# KiCad board Parallel.kicad_pcb (continued)
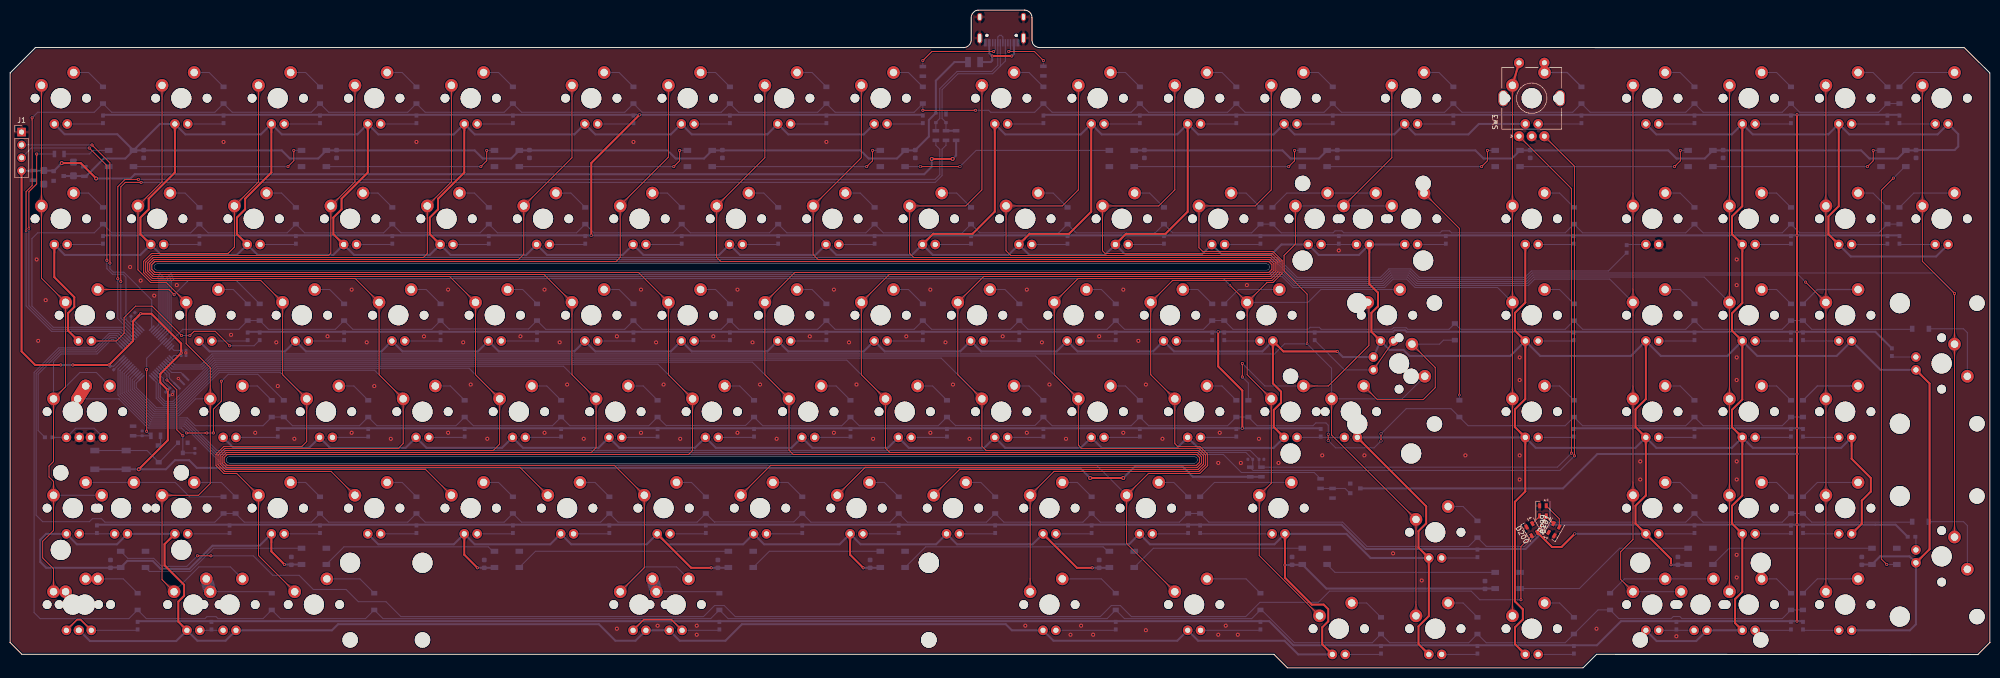
[diagram p0: board, top side]
## Routing (per net, layer and track width the routed paths; a pad name or vN(x,y) marks a point on that pad's centre or on a via; arc(x,y) is an arc through that point) (continued)
GND: length 7.4
  Bottom w0.2: U1.35 23.87,68.48 C9.1 ; C8.1 v2(32.07,53.99) C10.1 ; 20.51,58.94 U1.23
  vias: v1(5.24,80.67) v1(5.53,64.59) v1(7.02,72.63) v1(23.69,79.18) v1(25.78,76.5) v1(28.45,73.52) v1(32.92,75.6) v1(42.15,103.88) v1(43.64,65.78) v1(48.4,46.43) v1(52.56,64.29) v1(52.86,55.66) v1(56.14,45.24) v1(62.69,65.48) v1(67.45,74.71) v1(67.45,46.43) v1(70.42,64.29) v1(71.91,55.66) v1(75.19,45.24) v1(80.25,103.88) v1(81.74,65.48) v1(86.5,74.71) v1(86.5,46.43) v1(89.47,64.29) v1(90.96,55.96) v1(94.24,45.24) v1(100.79,65.48) v1(105.55,74.71) v1(105.55,46.43) v1(108.52,64.29) v1(110.01,55.96) v1(113.29,45.24) v1(119.84,65.48) v1(119.84,7.74) v1(123.11,103.88) v1(124.6,74.71) v1(124.6,46.43) v1(127.57,64.29) v1(127.87,8.33) v1(129.06,55.96) v1(132.34,45.24) v1(135.61,8.33) v1(135.61,6.55) v1(138.89,65.48) v1(143.65,74.71) v1(143.65,46.43) v1(146.62,64.29) v1(148.11,55.96) v1(151.39,45.24) v1(157.94,65.48) v1(161.21,103.88) v1(162.7,74.71) v1(162.7,46.43) v1(165.67,64.29) v1(167.16,55.96) v1(170.44,45.24) v1(176.99,65.48) v1(181.75,74.71) v1(181.75,46.43) v1(184.72,64.29) v1(186.21,55.96) v1(189.49,45.24) v1(196.04,65.48) v1(200.5,8.33) v1(200.8,74.71) v1(200.8,46.43) v1(203.77,64.29) v1(205.26,55.96) v1(208.54,45.24) v1(209.43,6.55) v1(211.51,8.33) v1(213.89,6.55) v1(215.09,65.48) v1(219.85,74.71) v1(219.85,46.43) v1(222.82,64.59) v1(224.31,55.96) v1(224.31,7.44) v1(227.59,45.24) v1(238.6,40.48) v1(238.6,6.55) v1(238.9,46.43) v1(240.09,8.33) v1(242.47,6.55) v1(243.07,40.48) v1(244.26,75.6) v1(246.64,45.24) v1(250.51,40.48) v1(259.14,41.97) v1(262.41,82.45) v1(267.47,41.97) v1(273.13,22.62) v1(278.78,17.26) v1(287.42,41.97) v1(298.13,61.32) v1(298.13,56.85) v1(298.13,41.97) v1(298.13,37.21) v1(313.31,7.74) v1(321.94,40.78) v1(321.94,37.21) v1(329.09,6.25) v1(340.99,80.67) v1(340.99,75.6) v1(340.99,61.32) v1(340.99,56.85) v1(340.99,40.78) v1(340.99,37.21) v1(340.99,22.32) v1(340.99,17.86) v2(33.22,57.15) v2(34.71,62.21)
VCC: length 551.1
  Top w0.4: v1(25.41,39.23) 31.15,44.96 v2(31.15,54.87) 29.65,56.37 29.65,58.04 v2(33.78,62.18) 33.78,64.06 27.89,69.95 v2(25.78,69.95) 24.29,68.46 24.29,64.59 v2(19.52,59.83) v2(12.38,59.83) ; v1(10.19,99.7) 13.94,99.7 v1(16.98,96.66) ; J1.4 2.26,62.51 4.94,59.83 v2(10,59.83) ; v1(182.03,100.53) v1(186.16,100.53) ; v1(213.3,37.5) v1(219.85,37.5)
  Bottom w0.2: U1.48 32.35,62.71 33.81,62.71 ; C10.2 v2(31.15,54.87) C8.2 30.24,56.53 30.24,57.17 U1.9 ; 24.55,68.51 U1.36 ; U1.1 32.35,61.71 33.81,61.71 ; U1.24 20.44,59.57 C7.2
  Bottom w0.4: C6.2 v2(33.78,62.18) C5.2 ; v2(10,59.83) v2(12.38,59.83) ; SW1.1 SW1.1 v1(25.41,39.23) 30.77,39.23 32.56,41.01 35.36,41.01 36.88,39.5 211.3,39.5 v1(213.3,37.5) ; R118.1 186.83,101.2 v1(186.16,100.53) ; v2(25.78,69.95) 24.5,68.67 ; 246.93,37.75 233.6,37.75 231.46,39.89 222.23,39.89 v1(219.85,37.5) ; C7.2 v2(19.52,59.83) ; U2.2 v1(10.19,99.7) ; J1.4 8.61,98.21 ; v1(182.03,100.53) 182.03,98.99 180.54,97.5 24.62,97.5 23.79,96.66 v1(16.98,96.66)
/R+: length 30
  Bottom w0.2: R110.2 U5.3 182.83,107.74 183.61,108.52 183.61,114.39 187.01,117.8 193.86,117.8 195.06,119.01 USB1.5 195.06,124.61 195.4,124.95 195.73,124.95 196.06,124.61 USB1.7
/R-: length 33.5
  Bottom w0.2: 195.56,118.87 196.56,119.87 USB1.8 ; 195.56,118.87 USB1.6 ; 195.56,118.87 194.04,117.35 187.2,117.35 184.06,114.21 184.06,108.52 184.83,107.74 U5.2 R109.2
  Bottom w0.4: R109.2 R118.2
Boot0: length 24
  Top w0.2: v2(26.97,58.94) v2(26.97,46.73)
  Bottom w0.2: 24.34,45.84 R117.2 v2(26.97,46.73) ; v2(26.97,58.94) 26.97,61.15 U1.44
CapLk: length 33.6
  Bottom w0.2: U1.26 20.72,65.27 19.88,65.27 17.01,62.41 9.93,62.41 5.53,58.01 5.53,46.88 R45.1
Col0: length 152.7
  Top w0.2: MX1.1 MX20.1 6.19,76.95 MX39.1 10.95,55.52 MX97.1 8.57,40.76 7.68,39.87 7.68,37.71 8.57,36.82 MX98.1 8.57,27.15 6.43,25 6.43,21.73 8.57,19.59 MX112.1
  Bottom w0.2: U1.25 20.42,64.87 20.04,64.87 17.18,62.01 10.09,62.01 8.57,60.48 MX97.1 13.77,58.34 17.02,58.34 MX58.2 ; MX98.1 MX59.1
Col1: length 159.6
  Top w0.2: MX113.1 30,17.42 MX61.1 37.21,34.09 39.53,36.41 MX60.1 39.53,59.27 34.76,64.03 MX40.1 30.85,76.1 27.77,76.1 25.24,78.63 MX21.1 30,96 MX2.1
  Bottom w0.2: U1.17 23.31,57.49 23.31,54.7 28.24,49.77 33.28,49.77 36.65,53.14 MX60.1 ; MX113.1 37.29,19.94 43.52,19.94 MX108.2
Col2: length 215
  Top w0.2: MX114.1 49.05,22.19 MX63.1 44.75,38.4 42.22,38.4 40.66,39.96 40.66,42.19 42.22,43.75 57.62,43.75 58.58,44.7 MX62.1 53.81,57.9 MX41.1 49.5,76.5 27.93,76.5 26.37,78.07 26.37,80.29 27.93,81.85 43.04,81.85 44.29,83.11 MX22.1 49.05,96 MX3.1
  Bottom w0.2: U1.16 23.71,57.19 23.71,54.87 28.41,50.17 33.11,50.17 41.33,58.38 53.34,58.38 MX62.1
Col3: length 286.3
  Top w0.2: MX4.1 68.1,96 MX23.1 63.34,81.92 62.88,81.45 28.1,81.45 26.77,80.12 26.77,78.23 28.1,76.9 68.15,76.9 MX42.1 72.86,57.9 MX64.1 77.63,44.3 76.67,43.35 42.39,43.35 41.06,42.03 41.06,40.12 42.38,38.8 63.39,38.8 MX65.1
  Bottom w0.2: U1.15 24.11,56.88 24.11,55.04 28.58,50.57 32.95,50.57 41.16,58.78 71.99,58.78 MX64.1
Col4: length 378.8
  Top w0.2: MX5.1 87.15,96 MX24.1 82.39,81.81 81.63,81.05 28.26,81.05 27.17,79.96 27.17,78.4 28.26,77.3 86.8,77.3 MX43.1 91.91,57.9 MX66.1 96.68,44.2 95.43,42.95 42.55,42.95 41.46,41.86 41.46,40.29 42.55,39.2 82.04,39.2 MX67.1
  Bottom w0.2: U1.14 24.51,56.57 24.51,55.2 28.74,50.97 32.78,50.97 41,59.18 90.64,59.18 MX66.1
Col5: length 473.7
  Top w0.2: MX69.1 100.69,39.6 42.72,39.6 41.86,40.46 41.86,41.7 42.72,42.55 114.78,42.55 115.73,43.5 MX68.1 110.96,57.9 MX44.1 105.45,77.7 28.43,77.7 27.57,78.56 27.57,79.79 28.43,80.65 100.41,80.65 101.44,81.69 MX25.1 110.96,100.77 MX6.1
  Bottom w0.2: MX68.1 109.29,59.58 40.83,59.58 32.62,51.37 28.91,51.37 24.91,55.37 24.91,56.27 U1.13
Col6: length 602.4
  Top w0.2: MX7.1 130.01,100.89 120.49,91.36 MX26.1 120.49,81.08 119.66,80.25 28.59,80.25 27.97,79.62 27.97,78.73 28.59,78.1 124.1,78.1 MX45.1 130.01,57.9 MX70.1 134.78,42.92 134.01,42.15 42.88,42.15 42.26,41.53 42.26,40.62 42.88,40 119.34,40 MX71.1 125.25,19.8 MX109.1
  Bottom w0.2: U1.12 28.85,56.44 28.85,53.26 30.34,51.77 32.45,51.77 40.66,59.98 127.94,59.98 MX70.1 ; MX109.1 125.39,19.94 131.62,19.94 MX115.2
Col7: length 595.2
  Top w0.2: MX8.1 149.06,100.77 MX27.1 139.54,81.08 140.37,80.25 248.58,80.25 249.2,79.63 249.2,78.72 248.58,78.1 154.97,78.1 MX46.1 149.06,57.9 MX72.1 153.83,42.99 154.66,42.15 234.29,42.15 234.91,41.53 234.91,40.62 234.29,40 150.21,40 MX73.1
  Bottom w0.2: MX72.1 146.59,60.38 40.5,60.38 32.29,52.17 30.5,52.17 29.25,53.43 29.25,56.75 U1.11
Col8: length 539.3
  Top w0.2: MX9.1 168.11,100.77 MX28.1 158.59,81.64 159.57,80.65 248.75,80.65 249.6,79.8 249.6,78.56 248.75,77.7 173.62,77.7 MX47.1 168.11,57.9 MX74.1 172.88,43.4 173.72,42.55 234.46,42.55 235.31,41.7 235.31,40.46 234.46,39.6 168.86,39.6 MX75.1
  Bottom w0.2: MX74.1 165.24,60.78 40.33,60.78 32.12,52.57 30.67,52.57 29.65,53.59 29.65,57.06 U1.10
Col9: length 484
  Top w0.2: MX77.1 187.51,39.2 234.63,39.2 235.71,40.29 235.71,41.86 234.62,42.95 192.76,42.95 191.93,43.79 MX76.1 187.16,57.9 MX48.1 192.27,77.3 248.91,77.3 250,78.39 250,79.96 248.91,81.05 178.46,81.05 177.64,81.88 MX29.1 188.75,91.24 191.93,94.42 MX10.1
  Bottom w0.2: MX76.1 183.89,61.18 40.17,61.18 38.01,59.03 31.92,59.03 U1.4
Col10: length 447.2
  Top w0.2: MX11.1 210.98,94.42 207.8,91.24 MX30.1 196.69,82.39 197.63,81.45 249.08,81.45 250.4,80.13 250.4,78.23 249.08,76.9 210.92,76.9 MX49.1 206.21,57.9 MX78.1 210.98,43.99 211.62,43.35 234.79,43.35 236.11,42.03 236.11,40.12 234.79,38.8 206.16,38.8 MX79.1 MX110.1
  Bottom w0.2: MX78.1 202.51,61.61 40.03,61.61 37.85,59.43 32.22,59.43 U1.3
Col11: length 406.7
  Top w0.2: MX12.1 230.03,94.42 226.85,91.24 MX31.1 215.74,82.39 216.28,81.86 249.24,81.86 250.8,80.29 250.8,78.06 249.24,76.5 229.57,76.5 MX50.1 225.26,57.9 MX80.1 230.03,44.29 230.56,43.76 234.95,43.76 236.51,42.19 236.51,39.96 234.95,38.4 224.81,38.4 MX81.1 220.5,24.57 MX111.1
  Bottom w0.2: U1.22 21.31,59.03 21.31,53.88 27.42,47.77 34.33,47.77 42.09,40 214.59,40 MX81.1
Col12: length 401.9
  Top w0.2: MX13.1 249.08,94.42 245.9,91.24 MX32.1 234.79,82.99 235.52,82.26 249.41,82.26 251.2,80.46 251.2,77.89 249.41,76.1 248.22,76.1 MX51.1 ; MX101.1 246.7,22.19 MX83.1 249.08,36.47 MX52.1 244.31,57.9 MX51.1 ; MX51.1 v4(240.9,75.6)
  Bottom w0.2: U1.45 31.79,65.27 31.79,76.25 32.44,76.9 239.6,76.9 v4(240.9,75.6) ; MX51.1 256.32,72.19 258.86,74.73 MX99.2
Col13: length 386.6
  Top w0.2: v4(256.16,64) 256.16,73.82 251.6,78.38 251.6,81.46 253.84,83.7 MX33.1 ; MX100.1 260.98,46 MX85.1 MX95.1 ; MX96.1 272.89,100.77 MX14.1
  Bottom w0.2: MX33.1 MX96.1 MX84.1 ; U1.2 32.53,59.83 37.68,59.83 39.86,62.01 249.66,62.01 249.68,61.98 251.7,64 v4(256.16,64) 260.98,59.17 MX100.1 274.95,53.14 MX82.2
Col14: length 390.6
  Top w0.2: MX102.1 296.7,10.28 MX86.1 MX53.1 MX34.1 MX15.1
  Top w0.4: MX15.1 SW3.S2
  Bottom w0.2: MX53.1 293.76,75.13 277.47,75.13 275.81,76.8 273.13,76.8 271.46,75.13 253.36,75.13 251.19,77.3 32.27,77.3 31.39,76.42 31.39,66.28 U1.43
Col15: length 418
  Top w0.2: MX103.1 318.07,17.48 318.07,22.92 320.52,25.36 MX89.1 320.51,34.09 MX88.1 MX54.1 MX35.1 MX16.1
  Bottom w0.2: U1.42 30.99,66.59 30.99,76.59 32.11,77.7 251.36,77.7 253.53,75.53 271.3,75.53 272.96,77.2 275.97,77.2 277.64,75.53 299.84,75.53 301.11,76.8 315.91,76.8 MX54.1 ; MX103.1 MX106.1
Col16: length 426
  Top w0.2: MX17.1 MX36.1 MX55.1 339.57,72.19 MX90.1 MX91.1 MX104.1
  Bottom w0.2: U1.41 30.59,66.9 30.59,76.75 31.94,78.1 251.52,78.1 253.69,75.93 271.13,75.93 272.8,77.6 276.14,77.6 277.8,75.93 299.68,75.93 300.94,77.2 334.56,77.2 MX55.1
Col17: length 452.1
  Top w0.2: MX56.1 358.61,53.14 MX92.1 MX93.1 MX105.1 ; MX56.1 MX37.1 MX18.1 ; MX56.1 v2(354.61,76.2)
  Bottom w0.2: U1.40 30.19,67.2 30.19,77.3 29.39,78.1 28.59,78.1 27.97,78.73 27.97,79.62 28.59,80.25 249.94,80.25 253.86,76.33 270.97,76.33 272.63,78 276.3,78 277.97,76.33 299.51,76.33 300.78,77.6 353.21,77.6 v2(354.61,76.2)
Col18: length 469.1
  Top w0.2: MX19.1 MX38.1 377.66,80.31 v2(384.02,73.96) MX57.1 MX94.1
  Bottom w0.2: U1.39 29.79,67.51 29.79,77.14 29.23,77.7 28.43,77.7 27.57,78.56 27.57,79.79 28.43,80.65 250.1,80.65 254.02,76.73 270.8,76.73 272.47,78.4 276.47,78.4 278.13,76.73 299.35,76.73 300.61,78 379.98,78 v2(384.02,73.96)
D+: length 200.6
  Top w0.2: v2(25.88,95.89) 22.74,95.89 21.86,95.01 v2(21.86,76.32)
  Bottom w0.2: R109.1 184.83,103.22 184.06,102.44 184.06,97.24 182.7,95.89 v2(25.88,95.89) ; v2(21.86,76.32) 21.86,69.08 U1.33
D-: length 201.1
  Top w0.2: v2(21.26,76.86) 21.26,95.04 22.71,96.49 v2(25.33,96.49)
  Bottom w0.2: v2(25.33,96.49) 182.67,96.49 183.61,97.43 183.61,102.44 182.83,103.22 R110.1 ; U1.32 21.26,68.98 v2(21.26,76.86)
DOut1: length 83.1
  Top w0.2: v2(370.64,20.43) 369.57,21.49 369.57,94.36 v2(371.95,96.74)
  Bottom w0.2: RGB10.2 374.22,99.01 v2(371.95,96.74) ; RGB20.4 v2(370.64,20.43)
DOut2: length 303.6
  Top w0.2: v2(298.38,13.45) 298.38,23.98 D200.3 ; v2(36.98,22.13) v2(39.66,22.13)
  Bottom w0.2: v2(36.98,22.13) 34.9,20.05 29.95,20.05 28.36,21.63 23.23,21.63 RGB11.2 ; v2(39.66,22.13) 48.03,22.13 51.88,18.28 57.09,18.28 59.88,15.49 66.36,15.49 68.77,13.07 74.23,13.07 77.18,10.13 136.94,10.13 139.13,12.31 141.03,12.31 143.22,10.13 215.3,10.13 217.49,12.31 219.26,12.31 221.45,10.13 244.03,10.13 246.84,12.95 258.38,12.95 260.6,15.16 288.55,15.16 290.26,13.45 v2(298.38,13.45)
EC-A: length 366.3
  Top w0.2: v2(308.35,42.4) 308.35,94.68 SW3.A
  Bottom w0.2: v2(308.35,42.4) 305.59,39.65 246.93,39.65 ; 246.65,39.58 C33.2 244.9,42.95 40.84,42.95 34.82,48.97 27.91,48.97 22.51,54.37 22.51,58.11 U1.19
EC-B: length 367.6
  Top w0.2: SW3.B 308.95,99.08 v2(308.95,41.87)
  Bottom w0.2: U1.20 22.11,58.42 22.11,54.21 27.75,48.57 34.66,48.57 40.68,42.55 244.06,42.55 C32.1 245.41,39.62 ; v2(308.95,41.87) 306.08,38.99 245.5,38.99 244.85,39.65
HSE_IN: length 5.2
  Bottom w0.2: U1.5 31.9,58.34 33.72,58.34 Y2.1
HSE_OUT: length 4.9
  Bottom w0.2: U1.6 31.43,58.1 31.43,57.24 Y2.3
ledGND: length 2196.7
  Top w0.4: v2(352.9,9.23) v2(352.9,28.28) v2(352.9,42.24) v2(352.9,47.33) v2(352.9,66.38) v2(352.9,85.43) v2(352.9,109.24) ; v3(238.6,66.38) 238.6,59.53 243.36,54.77 v3(243.36,47.33) ; v3(124.3,109.24) 114.78,99.72 v3(114.78,85.43)
  Bottom w0.4: 52.86,47.33 v3(243.36,47.33) 258.84,47.33 ; 308.85,47.33 v2(352.9,47.33) 354.09,47.33 ; 354.17,9.23 v2(352.9,9.23) 318.16,9.23 313.4,4.47 253.44,4.47 248.68,9.23 25.18,9.23 ; 18.33,109.24 v3(124.3,109.24) 180.26,109.24 ; R81.2 368.38,66.38 v2(352.9,66.38) 275.81,66.38 275.51,66.68 273.43,66.68 273.13,66.38 v3(238.6,66.38) 46.91,66.38 ; R98.2 372.39,28.28 v2(352.9,28.28) 304.09,28.28 299.29,23.49 267.75,23.49 262.96,28.28 17.14,28.28 ; 373.14,85.43 v2(352.9,85.43) v3(114.78,85.43) 18.33,85.43 ; Q1.3 306.69,35.45 313.48,42.24 v2(352.9,42.24) ; 373.14,109.24 v2(352.9,109.24) 204.07,109.24
ledPWM: length 250.9
  Bottom w0.2: R114.1 257.56,38.59 243.17,38.59 239.61,42.15 40.51,42.15 34.49,48.17 27.58,48.17 21.71,54.04 21.71,58.79 21.71,58.72 U1.21
NRST: length 20.9
  Top w0.2: v2(34.11,45.84) 32.92,47.03 32.92,54.91 v2(30.96,56.86)
  Bottom w0.2: v2(30.96,56.86) 30.96,57.86 U1.7 ; v2(34.11,45.84) Q2.3 36.6,42.46
NumLk: length 312.6
  Bottom w0.2: R83.1 315.66,78.4 300.45,78.4 299.18,77.13 278.3,77.13 276.64,78.8 272.3,78.8 270.64,77.13 254.19,77.13 250.27,81.05 28.26,81.05 27.17,79.96 27.17,78.4 28.26,77.3 29.06,77.3 29.39,76.97 29.39,67.82 U1.38
RGBIN: length 57
  Top w0.2: v2(5.24,101.5) 5.24,95.58 3.7,94.04 v4(3.7,86.77)
  Bottom w0.2: R113.1 v2(5.24,101.5) ; v4(3.7,86.77) 3.7,71.51 8.35,66.87 21.95,66.87 U1.30
Row0: length 455.8
  Top w0.2: v2(180.26,110.13) v2(190.68,110.13) ; v2(4.34,108.64) 4.34,95.25 3.15,94.06 v4(3.15,86.32)
  Bottom w0.2: v2(4.34,108.64) 5.44,109.74 16.61,109.74 D17.1 20.05,109.74 40.43,109.74 D19.1 43.87,109.74 59.48,109.74 D21.1 62.92,109.74 78.53,109.74 D23.1 81.97,109.74 97.58,109.74 D25.1 101.02,109.74 121.39,109.74 D27.1 124.83,109.74 140.44,109.74 D29.1 143.88,109.74 159.49,109.74 D31.1 162.93,109.74 178.54,109.74 D33.1 v2(180.26,110.13) ; v4(3.15,86.32) 3.15,71.5 8.18,66.47 21.65,66.47 U1.29 ; v2(190.68,110.13) 193.27,110.13 193.67,109.74 202.35,109.74 D36.1 205.79,109.74 221.4,109.74 D39.1 224.84,109.74 240.45,109.74 D42.1 243.89,109.74 259.5,109.74 D45.1 262.94,109.74 283.32,109.74 D48.1 286.75,109.74 308.62,109.74 D51.1 312.06,109.74 330.94,109.74 D53.1 334.38,109.74 349.99,109.74 D55.1 353.43,109.74 369.04,109.74 D57.1 D59.1
Row1: length 429.2
  Bottom w0.2: D60.1 D58.1 369.04,85.93 353.43,85.93 D56.1 349.99,85.93 334.38,85.93 D54.1 330.94,85.93 310.57,85.93 D52.1 307.13,85.93 284.68,85.93 284.29,86.32 282.8,86.32 282.41,85.93 263.4,85.93 263.01,86.32 261.67,86.32 261.28,85.93 251.04,85.93 D49.1 D46.1 245.22,85.93 229.6,85.93 D43.1 226.17,85.93 210.55,85.93 D40.1 207.12,85.93 191.5,85.93 D37.1 188.07,85.93 172.45,85.93 D34.1 169.02,85.93 153.4,85.93 D32.1 149.97,85.93 134.35,85.93 D30.1 130.91,85.93 115.3,85.93 D28.1 111.86,85.93 96.25,85.93 D26.1 92.81,85.93 77.2,85.93 D24.1 73.76,85.93 58.15,85.93 D22.1 54.71,85.93 39.1,85.93 D20.1 35.66,85.93 20.05,85.93 D18.1 16.61,85.93 5.44,85.93 4.3,84.79 4.3,71.48 8.51,67.27 22.26,67.27 U1.31
Row2: length 367.2
  Bottom w0.2: 375.62,66.88 355.81,66.88 D78.1 D77.1 349.99,66.88 334.38,66.88 D76.1 330.94,66.88 310.57,66.88 D75.1 307.13,66.88 286.48,66.88 D74.1 284.18,66.88 276.01,66.88 275.72,67.18 273.22,67.18 272.92,66.88 258.94,66.88 258.54,67.27 256.76,67.27 256.36,66.88 241.51,66.88 D73.1 D72.1 235.69,66.88 220.08,66.88 D71.1 216.64,66.88 201.03,66.88 D70.1 197.59,66.88 181.98,66.88 D69.1 178.54,66.88 162.93,66.88 D68.1 159.49,66.88 143.88,66.88 D67.1 140.44,66.88 124.83,66.88 D66.1 121.39,66.88 105.78,66.88 D65.1 102.4,66.93 86.79,66.93 86.73,66.88 D64.1 83.29,66.88 67.68,66.88 D63.1 64.24,66.88 51.01,66.88 D61.1 D62.1 45.19,66.88 34.11,66.88 U1.46
Row3: length 367.7
  Top w0.2: v3(270.75,44.82) v3(270.75,46.22) ; v3(260.33,46.14) v3(260.33,44.92)
  Bottom w0.2: v3(260.33,44.92) 261.79,43.46 269.38,43.46 v3(270.75,44.82) ; D166.1 D165.1 349.99,47.83 334.38,47.83 D164.1 330.94,47.83 310.57,47.83 D163.1 307.13,47.83 287.94,47.83 D162.1 284.58,51.2 275.72,51.2 v3(270.75,46.22) ; U1.18 22.91,57.8 22.91,54.54 28.08,49.37 34.99,49.37 36.53,47.83 49.95,47.83 D150.1 D149.1 55.77,47.83 69,47.83 D151.1 72.44,47.83 88.05,47.83 D152.1 91.49,47.83 107.1,47.83 D153.1 110.54,47.83 126.15,47.83 D154.1 129.59,47.83 129.65,47.88 145.26,47.88 D155.1 148.64,47.83 164.25,47.83 D156.1 167.69,47.83 183.3,47.83 D157.1 186.74,47.83 186.8,47.88 202.41,47.88 D158.1 205.79,47.83 221.4,47.83 D159.1 224.84,47.83 240.45,47.83 D160.1 D161.1 246.27,47.83 257.32,47.83 257.87,48.38 259.87,48.38 260.33,47.92 v3(260.33,46.14)
Row4: length 444.8
  Bottom w0.2: 375.43,28.78 355.81,28.78 D186.1 D185.1 349.99,28.78 334.38,28.78 D184.1 330.94,28.78 303.88,28.78 299.1,24 291.54,24 D182.1 288.05,23.99 267.96,23.99 263.17,28.78 236.75,28.78 D181.1 D180.1 230.93,28.78 215.32,28.78 D179.1 211.88,28.78 196.27,28.78 D178.1 192.83,28.78 177.22,28.78 D177.1 173.78,28.78 158.17,28.78 D176.1 154.78,28.83 139.17,28.83 139.12,28.78 D175.1 135.68,28.78 120.07,28.78 D174.1 116.63,28.78 101.02,28.78 D173.1 97.58,28.78 81.97,28.78 D172.1 78.53,28.78 62.92,28.78 D171.1 59.48,28.78 46.25,28.78 D170.1 D169.1 40.43,28.78 18.73,28.78 18.04,29.47 16.25,29.47 15.66,28.87 6.43,28.87 5.13,30.17 5.13,58.18 9.76,62.81 16.85,62.81 19.71,65.67 21.03,65.67 U1.27
Row5: length 437.4
  Bottom w0.2: D211.1 245.22,9.73 220.08,9.73 D210.1 216.64,9.73 141.8,9.73 D209.1 138.36,9.73 73.63,9.73 D212.1 70.19,9.73 53.39,9.73 D208.1 49.95,9.73 41.05,9.73 40.66,10.12 38.87,10.12 38.48,9.73 26.9,9.73 D207.1 23.46,9.73 5.93,9.73 4.73,10.92 4.73,58.34 9.6,63.21 16.68,63.21 19.55,66.07 21.34,66.07 U1.28 ; D206.1 D205.1 349.99,9.73 330.18,9.73 329.75,10.15 328.48,10.15 328.06,9.73 317.71,9.73 D204.1 313.61,11.45 D203.1 307.13,4.97 291.52,4.97 D168.1 288.08,4.97 272.47,4.97 D202.1 269.03,4.97 253.65,4.97 247.3,11.31
S1: length 8.5
  Bottom w0.25: D51.2 307.5,117.59 MX15.2
SWCLK: length 56.2
  Top w0.2: v2(16.17,103.29) 19.71,99.75 v2(19.71,79.95)
  Bottom w0.2: U1.37 27.97,72.65 22.46,78.15 20.38,78.15 19.71,78.83 v2(19.71,79.95) ; J1.2 v2(16.17,103.29)
SWDIO: length 55.7
  Top w0.2: v2(19.11,80.49) 19.11,99.21 v2(15.62,102.69)
  Bottom w0.2: v2(19.11,80.49) 19.11,78.86 20.22,77.75 22.29,77.75 22.87,77.18 22.87,68.78 U1.34 ; J1.3 4.2,102.69 v2(15.62,102.69)
Net-(D1-Pad1): length 7.1
  Bottom w0.2: D1.1 18.35,107.43
Net-(D2-Pad1): length 7.1
  Bottom w0.2: D2.1 42.17,107.43
Net-(D3-Pad1): length 7.1
  Bottom w0.2: D3.1 285.05,107.43
Net-(D4-Pad1): length 8.6
  Bottom w0.2: D4.1 310.36,107.43
Net-(D5-Pad1): length 7.1
  Bottom w0.2: D5.1 332.68,107.43
Net-(D6-Pad1): length 7.1
  Bottom w0.2: D6.1 61.22,107.43
Net-(D7-Pad1): length 7.1
  Bottom w0.2: D7.1 261.24,107.43
Net-(D8-Pad1): length 7.1
  Bottom w0.2: D8.1 242.19,107.43
Net-(D9-Pad1): length 7.1
  Bottom w0.2: D9.1 80.27,107.43
Net-(D10-Pad1): length 7.1
  Bottom w0.2: D10.1 180.28,107.43
Net-(D11-Pad1): length 7.1
  Bottom w0.2: D11.1 223.14,107.43
Net-(D12-Pad1): length 7.1
  Bottom w0.2: D12.1 99.32,107.43
Net-(D13-Pad1): length 6.8
  Bottom w0.2: D13.1 160.93,107.43
Net-(D14-Pad1): length 7.1
  Bottom w0.2: D14.1 204.09,107.43
Net-(D15-Pad1): length 7.1
  Bottom w0.2: D15.1 123.13,107.43
Net-(D16-Pad1): length 7.1
  Bottom w0.2: D16.1 142.18,107.43
Net-(D17-Pad2): length 7
  Bottom w0.2: MX1.2 15.5,117.59 D17.2
Net-(D18-Pad2): length 7
  Bottom w0.2: MX20.2 15.5,93.78 D18.2
Net-(D19-Pad2): length 7
  Bottom w0.2: D19.2 39.31,117.59 MX2.2
Net-(D20-Pad2): length 7
  Bottom w0.2: D20.2 34.55,93.78 MX21.2
Net-(D21-Pad2): length 7
  Bottom w0.2: MX3.2 58.36,117.59 D21.2
Net-(D22-Pad2): length 7
  Bottom w0.2: D22.2 53.6,93.78 MX22.2
Net-(D23-Pad2): length 7
  Bottom w0.2: D23.2 77.41,117.59 MX4.2
Net-(D24-Pad2): length 7
  Bottom w0.2: MX23.2 72.65,93.78 D24.2
Net-(D25-Pad2): length 7
  Bottom w0.2: D25.2 96.46,117.59 MX5.2
Net-(D26-Pad2): length 7
  Bottom w0.2: MX24.2 91.7,93.78 D26.2
Net-(D27-Pad2): length 7
  Bottom w0.2: D27.2 120.27,117.59 MX6.2
Net-(D28-Pad2): length 7
  Bottom w0.2: D28.2 110.75,93.78 MX25.2
Net-(D29-Pad2): length 7
  Bottom w0.2: MX7.2 139.32,117.59 D29.2
Net-(D30-Pad2): length 7
  Bottom w0.2: D30.2 129.8,93.78 MX26.2
Net-(D31-Pad2): length 7
  Bottom w0.2: MX8.2 158.37,117.59 D31.2
Net-(D32-Pad2): length 7
  Bottom w0.2: MX27.2 148.85,93.78 D32.2
Net-(D33-Pad2): length 7
  Bottom w0.2: D33.2 177.42,117.59 MX9.2
Net-(D34-Pad2): length 7
  Bottom w0.2: MX28.2 167.9,93.78 D34.2
Net-(D35-Pad1): length 18.8
  Top w0.3: D38.1 125.13,9.53 130.61,9.53 D35.1
  Bottom w0.2: D35.1 140.1,7.42
Net-(D36-Pad2): length 7
  Bottom w0.2: MX10.2 201.24,117.59 D36.2
Net-(D37-Pad2): length 7
  Bottom w0.2: D37.2 186.95,93.78 MX29.2
Net-(D39-Pad2): length 7
  Bottom w0.2: D39.2 220.29,117.59 MX11.2
Net-(D40-Pad2): length 7
  Bottom w0.2: D40.2 206,93.78 MX30.2
Net-(D41-Pad1): length 11.8
  Bottom w0.2: D41.1 218.38,7.42
Net-(D42-Pad2): length 7
  Bottom w0.2: MX12.2 239.34,117.59 D42.2
Net-(D43-Pad2): length 7
  Bottom w0.2: D43.2 225.05,93.78 MX31.2
Net-(D44-Pad1): length 11.8
  Bottom w0.2: D44.1 246.95,7.42
Net-(D45-Pad2): length 7
  Bottom w0.2: D45.2 258.39,117.59 MX13.2
Net-(D46-Pad2): length 7
  Bottom w0.2: MX32.2 244.1,93.78 D46.2
Net-(D47-Pad1): length 7
  Bottom w0.2: D47.1 D50.1
Net-(D48-Pad2): length 7
  Bottom w0.2: MX14.2 282.2,117.59 D48.2
Net-(D49-Pad2): length 21.6
  Bottom w0.2: MX96.2 MX33.2 252.15,93.78 D49.2
Net-(D52-Pad2): length 7
  Bottom w0.2: MX34.2 306.01,93.78 D52.2
Net-(D53-Pad2): length 7
  Bottom w0.2: D53.2 329.83,117.59 MX16.2
Net-(D54-Pad2): length 7
  Bottom w0.2: MX35.2 329.83,93.78 D54.2
Net-(D55-Pad2): length 7
  Bottom w0.2: MX17.2 348.88,117.59 D55.2
Net-(D56-Pad2): length 7
  Bottom w0.2: MX36.2 348.88,93.78 D56.2
Net-(D57-Pad2): length 7
  Bottom w0.2: MX18.2 367.93,117.59 D57.2
Net-(D58-Pad2): length 7
  Bottom w0.2: D58.2 367.93,93.78 MX37.2
Net-(D59-Pad2): length 12
  Bottom w0.2: MX19.2 375.98,117.59 D59.2
Net-(D60-Pad2): length 12
  Bottom w0.2: MX38.2 375.98,93.78 D60.2
Net-(D61-Pad2): length 35.5
  Top w0.2: MX39.2 31.39,74.73 31.39,74.71 v2(32.39,73.71)
  Bottom w0.2: v2(32.39,73.71) 35.19,76.5 44.69,76.5 D61.2
Net-(D62-Pad2): length 7
  Bottom w0.2: D62.2 44.07,74.73 MX40.2
Net-(D63-Pad2): length 7
  Bottom w0.2: MX41.2 63.12,74.73 D63.2
Net-(D64-Pad2): length 7
  Bottom w0.2: D64.2 82.17,74.73 MX42.2
Net-(D65-Pad2): length 7
  Bottom w0.2: D65.2 101.22,74.73 MX43.2
Net-(D66-Pad2): length 7
  Bottom w0.2: D66.2 120.27,74.73 MX44.2
Net-(D67-Pad2): length 7
  Bottom w0.2: D67.2 139.32,74.73 MX45.2
Net-(D68-Pad2): length 7
  Bottom w0.2: D68.2 158.37,74.73 MX46.2
Net-(D69-Pad2): length 7
  Bottom w0.2: D69.2 177.42,74.73 MX47.2
Net-(D70-Pad2): length 7
  Bottom w0.2: D70.2 196.47,74.73 MX48.2
Net-(D71-Pad2): length 7
  Bottom w0.2: D71.2 215.52,74.73 MX49.2
Net-(D72-Pad2): length 7
  Bottom w0.2: D72.2 234.57,74.73 MX50.2
Net-(D73-Pad2): length 12
  Bottom w0.2: MX51.2 242.63,74.73 D73.2
Net-(D74-Pad2): length 35.5
  Top w0.2: MX82.1 281.46,59.33 281.46,55.36 279.08,52.98 270.03,52.98 MX100.2
  Bottom w0.2: D74.2 283.09,64.73 282.3,63.94 MX82.1
Net-(D75-Pad2): length 7
  Bottom w0.2: MX53.2 306.01,74.73 D75.2
Net-(D76-Pad2): length 7
  Bottom w0.2: D76.2 329.83,74.73 MX54.2
Net-(D77-Pad2): length 7
  Bottom w0.2: D77.2 348.88,74.73 MX55.2
Net-(D78-Pad2): length 12
  Bottom w0.25: MX56.2 356.93,74.73 D78.2
Net-(D79-Pad1): length 7.1
  Bottom w0.2: D79.1 113.6,83.62
Net-(D80-Pad1): length 7.1
  Bottom w0.2: D80.1 170.75,83.62
Net-(D81-Pad1): length 7.1
  Bottom w0.2: D81.1 94.55,83.62
Net-(D82-Pad1): length 7.1
  Bottom w0.2: D82.1 151.7,83.62
Net-(D83-Pad1): length 7.1
  Bottom w0.2: D83.1 189.8,83.62
Net-(D84-Pad1): length 7.1
  Bottom w0.2: D84.1 75.5,83.62
Net-(D85-Pad1): length 7.1
  Bottom w0.2: D85.1 132.65,83.62
Net-(D86-Pad1): length 7.1
  Bottom w0.2: D86.1 208.85,83.62
Net-(D87-Pad1): length 7.1
  Bottom w0.2: D87.1 56.45,83.62
Net-(D88-Pad1): length 7.1
  Bottom w0.2: D88.1 373.12,107.43
Net-(D89-Pad1): length 6.8
  Bottom w0.2: D89.1 227.61,83.62
Net-(D90-Pad1): length 7.1
  Bottom w0.2: D90.1 37.4,83.62
Net-(D91-Pad1): length 7.1
  Bottom w0.2: D91.1 370.78,107.43
Net-(D92-Pad1): length 7.1
  Bottom w0.2: D92.1 246.95,83.62
Net-(D93-Pad1): length 7.1
  Bottom w0.2: D93.1 18.35,83.62
Net-(D94-Pad1): length 7.1
  Bottom w0.2: D94.1 351.73,107.43
Net-(D96-Pad1): length 8.3
  Bottom w0.2: D96.1 52.88,45.52
Net-(D97-Pad1): length 5.6
  Bottom w0.2: D97.1 283.57,83.62
Net-(D98-Pad1): length 7.1
  Bottom w0.2: D98.1 180.28,64.57
Net-(D99-Pad1): length 7.1
  Bottom w0.2: D99.1 70.74,45.52
Net-(D100-Pad1): length 7.1
  Bottom w0.2: D100.1 46.93,64.57
Net-(D101-Pad1): length 7.1
  Bottom w0.2: D101.1 142.18,64.57
Net-(D102-Pad1): length 7.1
  Bottom w0.2: D102.1 123.13,64.57
Net-(D103-Pad2): length 11.7
  Bottom w0.2: D112.2 16.61,47.33 12.92,47.33 D103.2 8.23,45.52